# Altium PCB Gesturelink V1.PcbDoc (part 6 of 9)
Units mil, origin at the board's own origin, x right, y up, seen from the top; angles counter-clockwise.
Board outline 1574.8 x 1377.95 mil, 12 copper layers (SIG_1, GND_1, HI_SPEED_SIG_1, HI_SPEED_SIG_2, GND_2, PWR_1, PWR_2, GND_3, SIG_2, SIG_3, GND, SIG_4), stack 76.312 mil thick; 506 components, 440 nets, 2250 pads, 1330 vias.
Unrouted connection lines stored in the file: 20.
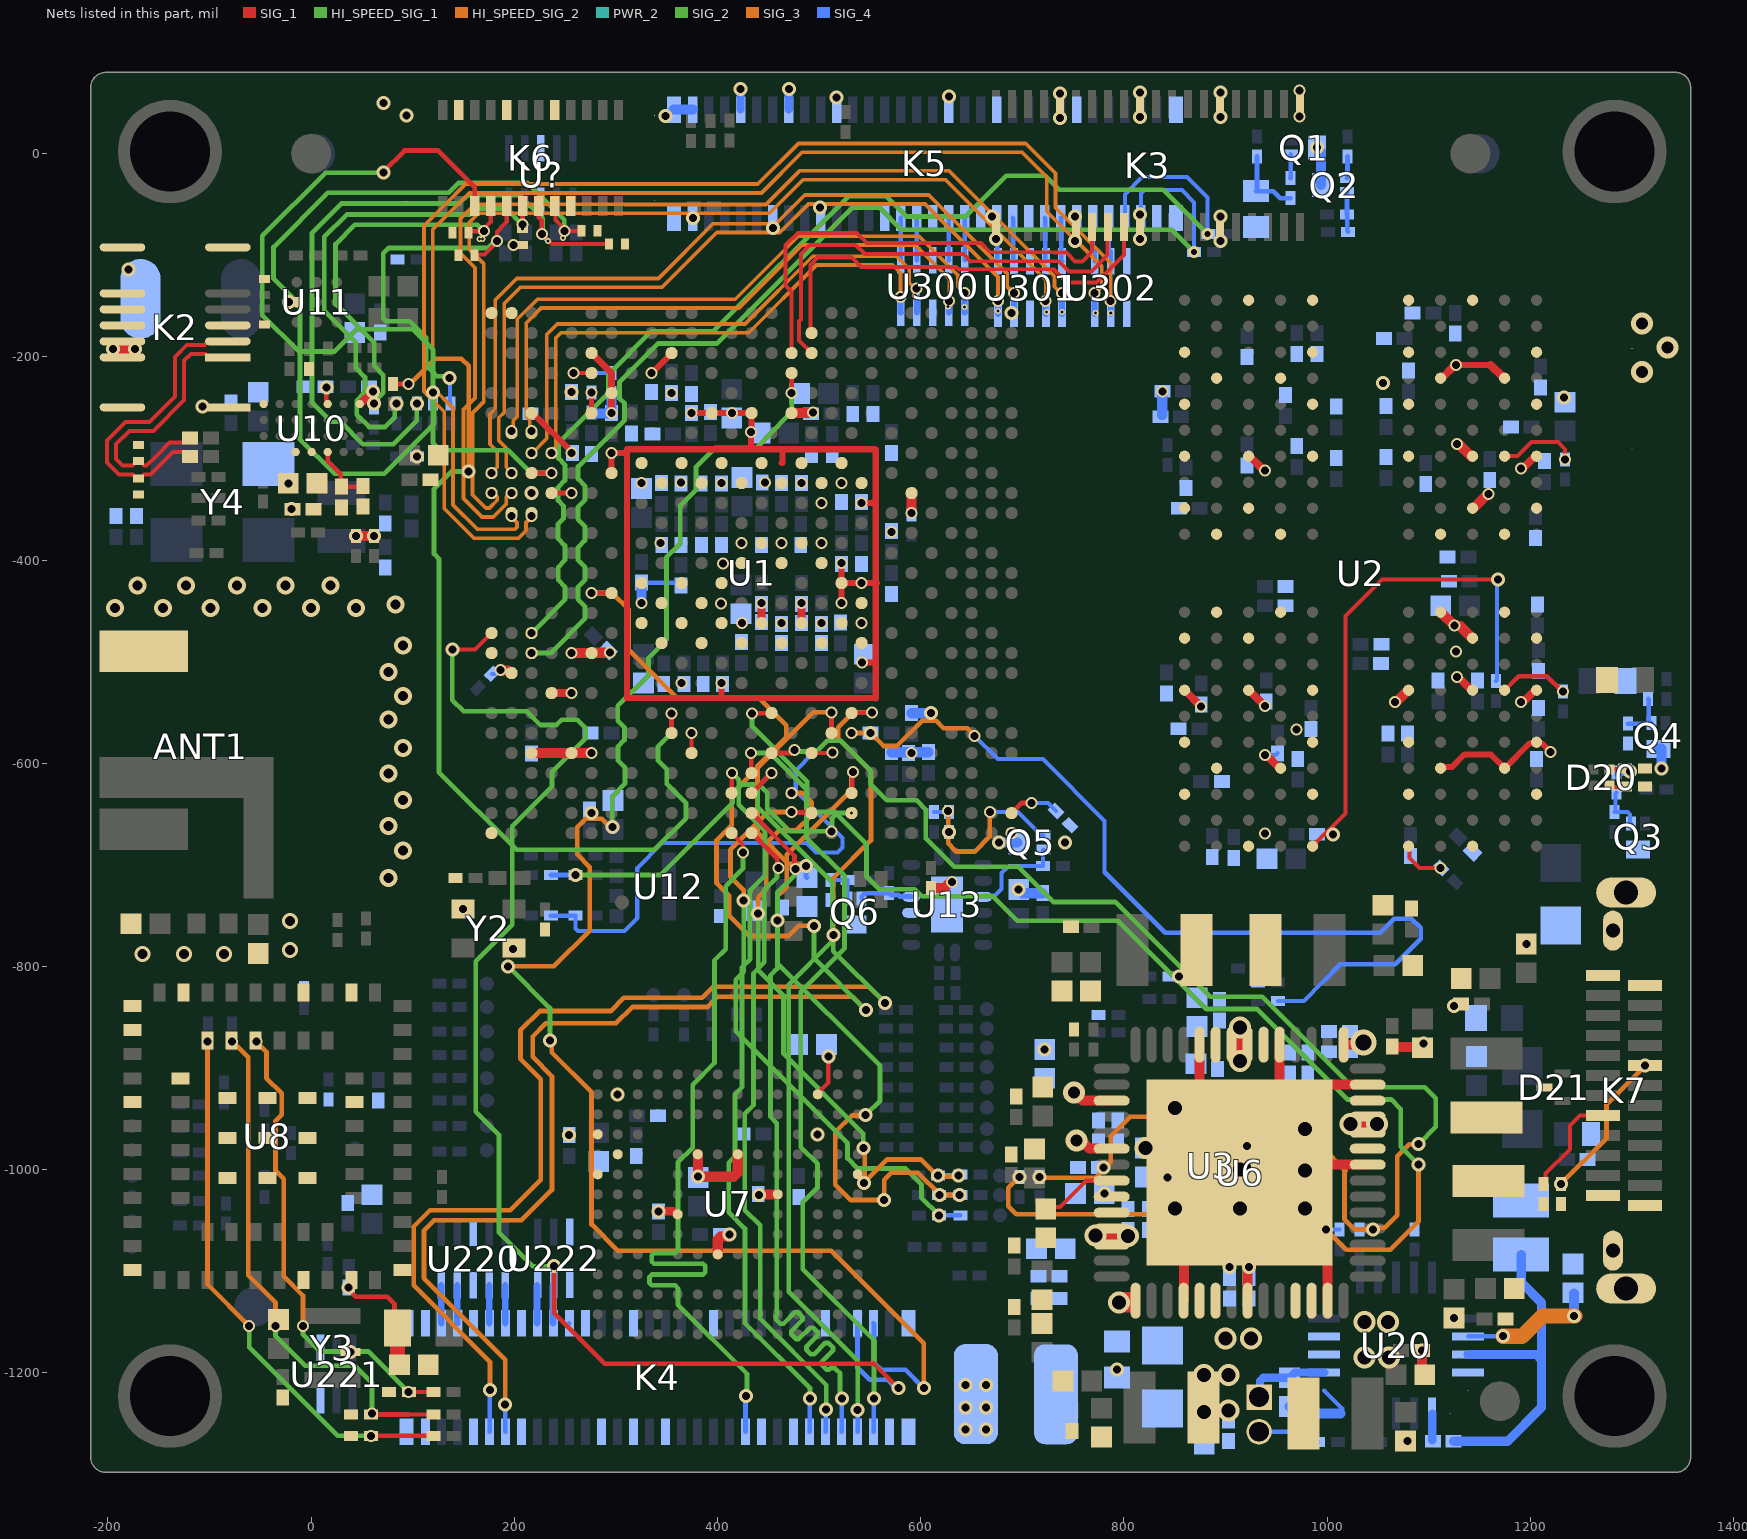
[diagram p16: the nets of this part, all layers, seen from the top]

## Nets (pads, with @x,y where several pads share a name; then routed paths per layer and width w, separated by ;. In a path a pad name is that pad's centre, name@x,y a point inside that pad or via, vN(x,y) a via of type N, cw(c..) or ccw(c..) an arc to the next point about the centre after c; other vN are vias at no path point) (continued)
ETH_RGMII_RXD3: K4.42 U1.AG13 | length 799.2
  SIG_1 w3.6: U1.AG13@413.79,-668.74 425,-679.95 v5(425,-687.99)
  HI_SPEED_SIG_1 w4.63: v5(425,-687.99) 425,-703.99 408,-720.99 408,-782.99 397,-793.99 397,-894.99 375.46,-916.53 375.46,-978.53 361,-992.99 361,-1075.99 361,-1079.33 358.29,-1082.04 337.51,-1082.04 335.38,-1084.17 335.38,-1090.54 337.51,-1092.67 385.71,-1092.67 387.83,-1094.79 387.83,-1101.17 385.71,-1103.3 335.25,-1103.3 333.13,-1105.42 333.13,-1111.8 335.25,-1113.92 358.29,-1113.92 361,-1116.64 361,-1118.95 361,-1132.99 429,-1200.99 429,-1221.99 v2(428,-1222.99)
  SIG_4 w4.58: K4.42@427.46,-1257.99 427.46,-1223.53 v2(428,-1222.99)
ETH_RGMII_TX_CTL: K4.58 U1.AD14 | length 797.2
  SIG_1 w4.58: v1(433,-590) 433.24,-590.24 433.24,-609.45 U1.AD14@433.47,-609.68
  HI_SPEED_SIG_1 w4.63: v1(433,-590) 452.01,-590 487.5,-625.49 487.5,-673.49 525,-710.99 525,-781.99 482,-824.99 482,-977.99 498.41,-994.4 498.41,-1017.99 498,-1017.99 484,-1031.99 484,-1097.99 554,-1167.99 v2(554,-1225.17)
  SIG_4 w4.58: K4.58@553.45,-1257.99 553.72,-1257.72 553.72,-1225.45 v2(554,-1225.17)
ETH_RGMII_TXD0: K4.50 U1.AE13 | length 729.8
  SIG_1 w4.58: U1.AE13@413.79,-629.37 413.99,-629.17 413.99,-609.89 v1(414.19,-609.69)
  HI_SPEED_SIG_1 w4.63: v1(414.19,-609.69) 421,-616.49 421,-640.99 446.78,-666.77 446.78,-710.21 432,-724.99 432,-792.99 424.07,-800.93 424.07,-918.93 417.2,-925.79 417.2,-986.99 411,-993.2 411,-1041.99 427,-1057.99 427,-1150.99 490.94,-1214.93 490.94,-1225.11 v2(491,-1225.17)
  SIG_4 w4.58: K4.50@490.46,-1257.99 490.73,-1257.72 490.73,-1225.44 v2(491,-1225.17)
ETH_RGMII_TXD1: K4.52 U1.AG14 | length 647.5
  SIG_1 w4.58: U1.AG14@433.47,-668.74 458.62,-693.88 458.62,-701.61 v5(460,-702.99)
  HI_SPEED_SIG_1 w4.63: v5(460,-702.99) 458.63,-704.37 458.63,-712.03 446,-724.65 446,-795.99 435.4,-806.59 435.4,-936.59 426.8,-945.2 426.8,-1039.79 442,-1054.99 442,-1146.99 507,-1211.99 v2(507,-1235.95)
  SIG_4 w4.58: K4.52@506.2,-1257.99 506.6,-1257.59 506.6,-1236.35 v2(507,-1235.95)
ETH_RGMII_TXD2: K4.54 U1.AF14 | length 779.1
  SIG_1 w4.58: U1.AF14@433.47,-649.06 475.76,-691.34 475.76,-703.1 v5(476.77,-704.11)
  HI_SPEED_SIG_1 w4.63: v5(476.77,-704.11) 475.4,-705.48 475.4,-710.63 459,-727.03 459,-801.99 452.13,-808.86 452.13,-948.12 458.23,-954.22 458.23,-1114.7 458.23,-1138.22 458.84,-1138.83 458.84,-1142.66 457.41,-1144.09 457.41,-1147.1 461.92,-1151.6 464.92,-1151.6 476.02,-1140.51 479.02,-1140.51 483.53,-1145.02 483.53,-1148.02 472.44,-1159.12 472.44,-1162.13 476.95,-1166.63 479.95,-1166.63 491.05,-1155.54 494.05,-1155.54 498.56,-1160.05 498.56,-1163.05 487.47,-1174.15 487.47,-1177.16 491.98,-1181.66 494.98,-1181.66 506.08,-1170.57 509.08,-1170.57 513.59,-1175.08 513.59,-1178.09 502.5,-1189.18 502.5,-1192.19 507.01,-1196.69 510.01,-1196.69 511.44,-1195.27 515.27,-1195.27 516.91,-1196.9 520.62,-1200.62 520.62,-1223.42 v2(522.38,-1225.17)
  SIG_4 w4.58: K4.54@521.95,-1257.99 522.16,-1257.78 522.16,-1225.38 v2(522.38,-1225.17)
ETH_RGMII_TXD3: K4.56 U1.AE14 | length 758.1
  SIG_1 w4.58: U1.AE14@433.47,-629.37 v1(453.08,-609.76)
  HI_SPEED_SIG_1 w4.63: v1(453.08,-609.76) 439.47,-623.37 439.47,-643.46 513,-716.99 513,-774.99 470,-817.99 470,-1119.99 538,-1187.99 v2(538,-1236.52)
  SIG_4 w4.58: K4.56@537.7,-1257.99 537.85,-1257.84 537.85,-1236.67 v2(538,-1236.52)
EXT_ADC_IRQ: K3.28 U1.C16 | length 455
  SIG_1 w3.6: 651,-87.99 659.35,-87.99 668.54,-97.18 730.81,-97.18 731.01,-97.38
  SIG_1 w4: U1.C16@472.84,-196.3 472.84,-135.83 467,-129.99 467,-89.99 479,-77.99 537,-77.99 547,-87.99 651,-87.99 ; 731.01,-97.38 743.39,-97.38 752.04,-106.03 759,-106.03 768.51,-96.52 K3.28@768.51,-72.31
FDCAN2_RX: K4.57 U1.D16 | length 1604
  SIG_1 w4.58: U1.D16@472.84,-215.98 472.93,-216.07 472.93,-235.59 v9(473.01,-235.68)
  SIG_2 w4.67: v8(194,-799.99) 235,-840.99 v8(235,-872.99) ; v8(296.4,-662.59) 296.4,-632.86 308.92,-620.34 308.92,-604.2 302.1,-597.38 302.1,-583.42 308.42,-577.1 308.42,-564.63 301.76,-557.97 301.76,-543.59 332.15,-513.2 332.15,-496.14 349.76,-478.53 349.76,-397.51 363.35,-383.92 363.35,-346.53 378.89,-330.99 378.89,-308.1 397.21,-289.78 438.32,-289.78 447.74,-280.36 447.74,-279.5 473.01,-254.23 v9(473.01,-235.68)
  SIG_3 w4.63: v8(194,-799.99) 239,-799.99 274.2,-764.79 274.2,-702.2 261.79,-689.78 261.79,-662.86 270.11,-654.54 285.87,-654.54 293.92,-662.59 v8(296.4,-662.59) ; v8(235,-872.99) 236.75,-874.74 236.75,-884.74 276,-923.99 276,-1053.99 302,-1079.99 512,-1079.99 603,-1170.99 v2(603,-1214.99)
  SIG_4 w4.58: K4.57@553.45,-1151.3 554,-1151.85 554,-1189.99 561,-1196.99 585,-1196.99 v2(603,-1214.99)
FDCAN2_TX: K4.55 U1.U1 | length 1368.6
  SIG_1 w4: v25(139,-487.99) 161.46,-487.99 U1.U1@177.57,-471.89
  SIG_1 w4.58: v25(239,-1094.99) 239,-1140.99 289,-1190.99 554,-1190.99 v2(578,-1214.99)
  HI_SPEED_SIG_1 w4.63: v25(139,-487.99) 139,-537.99 150,-548.99 212.19,-548.99 225.58,-562.38 241.44,-562.38 246.73,-557.1 261.78,-557.1 270.34,-565.65 270.34,-575.65 237,-608.99 237,-622.99 198,-661.99 198,-758.99 162,-794.99 162,-942.99 185,-965.99 185,-1061.99 218,-1094.99 v25(239,-1094.99)
  SIG_4 w4.58: K4.55@537.7,-1151.3 537.7,-1194.69 550,-1206.99 567.51,-1206.99 575.51,-1214.99 v2(578,-1214.99)
GND: ANT1.3 C1.1 C2.1 C3.1 C4.1 C15.1 C17.1 C18.1 C19.1 C20.1 C21.1 C22.1 C23.1 C24.1 C25.1 C26.1 C27.1 C28.1 C29.1 C30.1 C31.1 C32.1 C33.1 C34.1 C35.1 C36.1 C37.1 C38.1 C39.1 C40.1 C41.1 C42.1 C43.1 C44.1 C45.1 C46.1 C48.1 C50.1 C51.1 C52.1 C53.1 C54.1 C55.1 C56.1 C57.1 C58.1 C59.1 C60.1 C61.1 C64.1 C65.1 C67.1 C70.2 C72.1 C73.1 C74.1 C75.1 C76.1 C77.1 C78.1 C79.1 C80.1 C81.1 C82.1 C83.1 C85.1 C86.1 C87.1 C88.1 C89.1 C90.1 C91.1 C93.1 C94.1 C95.1 C96.1 C97.1 C98.1 C99.1 C100.1 C101.1 C102.1 C103.1 C104.1 C105.1 C106.1 C107.1 C108.1 C109.1 C110.1 C111.1 C112.1 C113.1 C114.1 C115.1 C116.1 C117.1 C118.1 C119.1 C120.1 C121.1 C122.1 C123.1 C124.1 C125.1 C126.1 C127.1 C128.1 C129.1 C130.1 C131.1 C132.1 C133.1 C134.1 C135.1 C136.1 C138.1 C139.1 C140.1 C141.1 C142.1 C143.1 C144.1 C145.1 C146.1 C147.1 C148.1 C149.1 C150.1 C151.1 C152.1 C153.1 C154.1 C159.1 C160.1 C161.1 C162.1 C163.1 C164.1 C165.1 C166.1 C167.1 C168.1 C169.1 C170.1 C171.1 C172.1 C173.1 C174.1 C175.1 C176.1 C177.1 C178.1 C179.1 C180.1 C181.1 C182.1 C183.1 C184.1 C185.1 C186.1 C187.1 C188.1 C189.1 C190.1 C191.1 C192.1 C193.1 C194.1 C195.1 C196.1 C197.1 C198.1 C199.1 C200.1 C201.1 C202.1 C203.1 C204.1 C205.1 C206.1 C207.1 C208.1 C211.1 C216.1 C217.1 C218.1 C219.1 C220.1 C221.1 C222.1 C223.1 C224.1 C225.1 C226.1 C227.1 C228.1 C229.1 C230.1 C231.1 C232.1 C233.1 C244.1 C245.1 C246.1 C247.1 C248.1 C249.1 C250.1 C251.1 C252.1 C253.1 C254.1 C257.1 C258.1 C263.1 C264.1 C265.1 C266.1 C270.1 C271.1 C272.1 C274.1 C275.1 C276.1 C277.1 C300.1 D2.2 D3.2 D4.2 D5.2 D10.2 D11.2 D12.2 D13.2 D14.2 D15.1 D17.1 D18.1 D21.3 D23.1 D30.1 DNC1.1 DNC3.1 DNC_4.2 DNC_5.2 DNC_6.2 K1.2 K2.1 K2.4 K2.7 K2.8 K2.9 K2.10 K2.11 K2.14 K3.1 K3.11 K3.12 K3.21 K3.22 K3.30 K3.31 K3.40 K4.1 K4.2 K4.7 K4.8 K4.13 K4.14 K4.19 K4.21 K4.24 K4.27 K4.28 K4.32 K4.37 K4.44 K4.48 K4.51 K4.60 K4.S1 K4.S2 K4.S3 K4.S4 K5.1 K5.2 K5.7 K5.12 K5.13 K5.18 K5.19 K5.26 K5.32 K5.33 K5.38 K5.39 K5.44 K5.49 K5.50 K5.60 K5.S1 K5.S2 K5.S3 K5.S4 K6.4 K6.10 K6.16 K6.25 K7.A1 K7.A12 K7.B1 K7.B12 K7.S1 K7.S2 K7.S3 K7.S4 NTC1.2 P2.1 P5.1 Q1.3 Q2.3 Q3.3 Q4.3 Q5.3 Q6.3 R4.2 R5.2 R7.2 R22.2 R38.2 R39.2 R40.2 R90.2 R91.2 R106.1 R139.2 R140.2 R147.2 R150.2 R153.2 R154.2 R155.2 R157.2 R159.2 R161.2 R166.2 R173.2 U1.A1 U1.A2 U1.A27 U1.AAA1 U1.AAA3 U1.AAA5 U1.AAA7 U1.AAA9 U1.AAA11 U1.AAB2 U1.AAB4 U1.AAB6 U1.AAB8 U1.AAB10 U1.AAB12 U1.AAE7 U1.AAE9 U1.AAF6 U1.AAF8 U1.AAF10 U1.AAG1 U1.AAG3 U1.AAG5 U1.AAG11 U1.AAH2 U1.AAH4 U1.AAH12 U1.AAJ1 U1.AAJ3 U1.AAJ5 U1.AAJ7 U1.AAJ9 U1.AAJ11 U1.AAK2 U1.AAK4 U1.AAK6 U1.AAK8 U1.AAK10 U1.AAK12 U1.AC3 U1.AC5 U1.AC11 U1.AF6 U1.AG1 U1.AG27 U1.C6 U1.C10 U1.E7 U1.F3 U1.F12 U1.F14 U1.F16 U1.J7 U1.K3 U1.V6 U1.Y4 U2.A3 U2.A10 U2.AB3 U2.AB5 U2.AB8 U2.AB10 U2.C1 U2.C5 U2.C8 U2.C12 U2.D2 U2.D4 U2.D9 U2.D11 U2.E1 U2.E5 U2.E8 U2.E12 U2.G1 U2.G3 U2.G5 U2.G8 U2.G10 U2.G12 U2.J1 U2.J3 U2.J10 U2.J12 U2.K2 U2.K4 U2.K9 U2.K11 U2.N2 U2.N4 U2.N9 U2.N11 U2.P1 U2.P3 U2.P10 U2.P12 U2.T1 U2.T3 U2.T5 U2.T8 U2.T10 U2.T12 U2.V1 U2.V5 U2.V8 U2.V12 U2.W2 U2.W4 U2.W9 U2.W11 U2.Y1 U2.Y5 U2.Y8 U2.Y12 U3.B2 U3.C1 U6.9 U6.10 U6.18 U6.22 U6.27 U6.36 U6.41 U6.47 U6.52 U6.57 U7.A6 U7.C4 U7.E7 U7.G5 U7.H10 U7.J5 U7.K8 U7.N2 U7.N5 U7.P4 U7.P6 U8.1 U8.14 U8.16 U8.21 U8.23 U8.24 U8.27 U8.34 U8.41 U8.49 U8.57 U8.69 U8.70 U8.71 U8.72 U8.73 U8.74 U8.75 U8.76 U8.77 U10.A4 U10.D1 U10.D7 U11.B3 U12.4 U13.11 U13.17 U20.5 U20.6 U20.7 U20.15 U220.3 U220.8 U221.3 U221.4 U222.3 U222.4 U300.3 U300.8 U301.3 U301.8 U302.3 U302.4 U?.3 U?.8 Y2.2 Y2.4 Y3.2 Y4.2 | length 3708.2
  SIG_1 w4: U8.21@-125.62,-825.75 U8.21@-125.31,-825.44 ; v39@-125.31,-788.3 v39(-125,-787.99) ; v15(-22,-145.99) -21.91,-146.09 -14.2,-146.09 U11.B3@-14.1,-146.18 ; U10.D1@47.74,-246.5 U10.D1@48.12,-246.5 ; v15@60.62,-233.99 v15(61,-233.99) ; U1.AAA1@325.2,-304.57 325.2,-304.99 U1.AAA1@326,-304.99 ; U1.AC11@374.42,-590 v1(374.42,-570.32) ; v2(440.7,-1024.99) v2@441.05,-1024.65 ; U7.E7@458.92,-1024.65 U7.E7@459.26,-1024.31 ; U1.F16@472.84,-255.35 U1.F16@472.92,-255.28 ; U1.AG27@689.38,-668.74 v44(689.5,-668.87) ; v1(1067,-539.99) v1@1067.7,-539.99 ; U2.G5@1079.54,-528.15 U2.G5@1080.24,-528.15 ; C194.1@1093.24,-1199.06 C194.1@1096.17,-1201.99 ; U2.W4@1111.74,-221.06 U2.W4@1112.83,-221.06 ; v1@1125.91,-207.99 v1(1127,-207.99) ; v1(1128,-514.99) v1@1129.04,-514.99 ; v1(1128,-285.92) v1@1129.66,-285.92 ; U2.T3@1141.58,-297.83 U2.T3@1143.24,-297.83 ; U2.G3@1142.2,-528.15 U2.G3@1143.24,-528.15 ; U2.P3@1143.24,-349.02 U2.P3@1144.11,-349.02 ; v1@1158.13,-334.99 v1(1159,-334.99) ; U2.W2@1173.4,-221.06 U2.W2@1173.4,-220.55 ; v1(1191,-309.99) v1@1192.54,-309.99 ; U2.T1@1204.69,-297.83 U2.T1@1206.23,-297.83
  SIG_1 w4.2: U6.18@858.76,-1128.99 U6.18@859,-1128.76 ; U6.57@859,-1044.62 861.24,-1042.38 cw(c913.88,-1057.89) 868.77,-1026.63 cw(c913.88,-1057.89) U6.57@913.88,-1003.01 ; U6.57@874.51,-963.64 U6.57@913.88,-1003.01 ; U6.57@921.76,-1010.88 ccw(c913.88,-1010.88) U6.57@913.88,-1003.01 ; U6.57@1000.5,-1089.62 ccw(c913.88,-1089.62) U6.57@913.88,-1003.01 ; U6.57@1000.5,-916.39 ccw(c1000.5,-1003.01) 953.25,-930.41 953.25,-963.64 921.76,-995.13 U6.57@913.88,-1003.01
  SIG_1 w5: U1.F3@216.94,-255.35 U1.F3@218.09,-255.35 ; v1(256.31,-294.72) v1@256.31,-293.57
  SIG_1 w6: U1.F3@218.09,-255.35 v1@256.31,-293.57 ; U1.J7@295.68,-314.41 v1(295.68,-294.72) 311,-294.72 ; v1(335.05,-215.98) U1.C10@354.73,-196.3 ; v1(374.42,-255.35) U1.F14@433.47,-255.35 ; v1(403.95,-521.1) 404,-521.1 404,-535.99 ; v1(433,-274.25) 433,-290.99 ; v1@433.24,-274.25 U1.F14@433.24,-255.59 ; 463,-304.57 464,-304.57 464,-290.99 ; v1(522.05,-442.36) U1.AAG11@522.06,-422.68 ; v1(522.05,-402.99) U1.AAG11@522.06,-422.68 ; v1(541.74,-343.94) 555.75,-343.94 ; v1(542,-500.99) 555.75,-500.99 ; 555,-290.99 464,-290.99 ; 555.41,-535.99 404,-535.99 ; 555.75,-536.15 555.75,-500.99 ; 555.75,-291.15 555.75,-343.94 ; 557,-422.49 556.82,-422.68 555.75,-422.68 ; U2.D4@1111.74,-604.92 1113.08,-603.58 1122.98,-603.58 1135.13,-591.43 1161.24,-591.43 U2.D2@1174.73,-604.92 1199.17,-580.48 1205.08,-580.48 U2.E1@1206.23,-579.33 1207.38,-580.48 1211.49,-580.48 v1(1220,-588.99) ; v1(1127,-207.99) 1160.84,-207.99 ; 311,-294.72 311,-535.99 404,-535.99 ; 311,-294.72 311,-290.99 433,-290.99 ; 433,-290.99 464,-290.99 ; U1.AAG11@522.06,-422.68 v1(541.74,-422.68) 555.75,-422.68 ; 555.75,-500.99 555.75,-422.68 ; 555.75,-422.68 555.75,-343.94
  SIG_1 w7: U1.C6@275.99,-196.3 295.68,-215.98 U1.E7@295.68,-235.67 v1(295.68,-255.35)
  SIG_1 w8: U10.D1@48.12,-246.5 v15@60.62,-233.99 ; U1.Y4@236.62,-530.94 v1(256.31,-530.95) ; v2(342,-1040.99) 356.25,-1040.99 359.25,-1043.99 U7.K8@360.83,-1043.99 ; U1.AAJ7@443.31,-462.05 v1(443.32,-442.36) ; U1.AAJ9@482.68,-462.05 v1(482.68,-442.36) ; U2.G12@859.77,-528.15 859.89,-528.15 875.88,-544.14 v1(876,-544.14) ; U2.G10@922.76,-528.15 923.09,-528.15 938.67,-543.73 v1(939,-543.73) ; U2.T10@922.76,-297.83 923.8,-297.83 937.96,-311.99 v1(939,-311.99) ; v1(938.98,-591.99) 940.16,-591.99 953.09,-604.92 U2.D9@954.26,-604.92 ; U2.W4@1112.83,-221.06 v1@1125.91,-207.99 ; v1@1129.04,-514.99 U2.G3@1142.2,-528.15 ; 1160.84,-207.99 U2.W2@1173.4,-220.55 ; v1(1191,-539.99) 1192.69,-539.99 1204.54,-528.15 U2.G1@1206.23,-528.15 ; v1@1192.54,-309.99 U2.T1@1204.69,-297.83
  SIG_1 w10: U1.AC3@216.94,-590 U1.AC5@256.31,-590 v1(275.99,-590) ; v1(293.93,-490.92) 293.6,-491.25 276.32,-491.25 U1.V6@275.99,-491.57 275.92,-491.5 v1@256.53,-491.5 ; U7.J5@380.52,-984.94 380.76,-985.18 380.76,-1006.75 v2(381,-1006.99) 415.66,-1006.99 419.89,-1002.76 U7.G5@419.89,-984.94 ; U7.H10@400.2,-1083.36 400.2,-1068.79 403.13,-1065.86 410.13,-1065.86 v2(412,-1063.99) ; v2@441.05,-1024.65 U7.E7@458.92,-1024.65 ; U1.F16@472.84,-255.35 v1@492.53,-255.35 ; R157.2@610,-722.83 623.04,-722.83 628.89,-716.99 v1(631,-716.99) ; U6.18@859,-1128.76 U6.57@859,-1044.62 ; U6.57@874.51,-963.64 U6.52@874.51,-877.02 ; U6.22@921.76,-1128.99 U6.57@921.76,-1010.88 ; U6.57@921.76,-995.13 U6.36@1039.87,-995.13 ; U6.57@953.25,-930.41 U6.47@953.25,-877.02 ; U6.27@1000.5,-1128.99 U6.57@1000.5,-1089.62 ; U6.57@1000.5,-916.39 U6.41@1039.87,-916.39 ; C206.1@1064,-878.99 1064.5,-879.49 1092.5,-879.49 C205.1@1093,-878.99 ; v1@1067.7,-539.99 U2.G5@1079.54,-528.15 ; C194.1@1093.24,-1199.06 v15(1093.24,-1177.99) ; C205.1@1094,-879.99 C205.1@1094,-877.38 ; U2.K4@1111.74,-451.38 1111.99,-451.38 1125.31,-464.7 v1(1125.56,-464.7) ; v1@1125.31,-464.95 1125.41,-465.05 1131.04,-465.05 1142.96,-476.97 U2.J3@1143.24,-476.97 ; v1@1129.66,-285.92 U2.T3@1141.58,-297.83 ; U2.P3@1144.11,-349.02 v1@1158.13,-334.99 ; v1@256.53,-491.5 v1(256.45,-491.43) v1@256.53,-491.5
  SIG_4 w4: K4.19@253.87,-1150.93 K4.19@254.24,-1151.3 ; C81.1@295.2,-255.83 v1(295.68,-255.35) ; C72.1@325.2,-422.37 C30.1@361.14,-422.37 ; v13(422.52,63.65) v13@422.71,63.47 ; K5.7@422.71,43.54 K5.7@422.9,43.35 ; C43.1@482.68,-443.15 v1(482.68,-442.36) ; v13(696.43,-724.3) C265.1@700.13,-727.99 ; v1(938.98,-591.99) 949.24,-591.99 C105.1@951,-590.23 ; v2(989.8,6.01) Q1.3@994,1.8 ; R166.2@1285,-608.99 R166.2@1286,-607.99
  SIG_4 w5: C96.1@590.95,-550.63 C96.1@591.08,-550.76 ; C122.1@835.76,-258.99 C122.1@837.76,-256.99
  SIG_4 w8: K5.7@422.71,43.54 v13@422.71,63.47 ; K5.13@470.14,43.35 v13(470.14,63.65) ; NTC1.2@933,-1223.99 934,-1222.99 934,-1207.99 937.17,-1204.82 C275.1@963,-1204.82 968.25,-1199.57 U20.15@997.13,-1199.57
  SIG_4 w9: R166.2@1286,-607.99 v13(1298,-607.99)
  SIG_4 w10: R5.2@277,-255.83 C81.1@295.2,-255.83 ; v1(295.68,-255.35) R7.2@295.68,-235.67 ; v1(325.2,-442.36) C72.1@325.2,-422.37 ; K5.S1@356.95,43.35 K5.1@375.65,43.35 ; C70.2@571.27,-589.21 C79.1@607.64,-589.21 ; C96.1@591.08,-550.76 v13(610,-550.76) ; v13(677,-677.99) Q5.3@695.2,-677.99 ; C265.1@700.13,-727.99 C266.1@720,-727.99 ; C122.1@837.76,-256.99 v64(837.76,-233.99) ; Q2.3@994,-30.99 Q1.3@994,1.8 ; Q4.3@1326,-585.79 1329,-585.79 v13(1329,-604.99)
  other v1: 938.98,-668.99 590.95,-590 970,-566.99 364.57,-521.1 1127,-489.99 424,-462.05 463,-462.05 502.37,-462.05 541.74,-462.05 403.39,-442.91 405.57,-403.4 343.89,-383.31 423.63,-383.31 463,-383.31 502.37,-383.31 571.27,-372.68 502.37,-343.94 325.2,-324.25 364.15,-323.83 403.95,-324.25 446.81,-323.59 482.68,-324.25 522.05,-324.25 414.26,-255.35 494,-254.99 354.73,-235.67
  other v2: 644,-1255.99 664,-1255.99 644,-1233.99 664,-1233.99 644,-1211.99 664,-1211.99 254,-965.99 498.63,-965.25 1095,-875.99 1125,-838.99 1233,-239.99 1055,-225.99 -180,-113.99 94.08,37.5 349,37.01 71,50.01
  other v13: 793,-1196.99 37,-1116.23 904,-1095.99 923,-1095.99 780.67,-1023.49 843,-1007.99 780,-997.99 722,-881.82 854,-809.99 742,-677.99 1006,-669.99 628,-667.83 550.8,-570.32 104,-297.99 256.31,-234.88 454.39,-72.99 375.65,-63.34 501,-52.99 517,55.23 628,56.01
  other v15: 1079,-1267.17 38.72,-1179.43 1125,-1146.17 301.78,-925.88 275.99,-649.06 216.94,-334.09 -107,-248.99 689.38,-156.93 752,-85.99 895,-85.99 674,-83.99 816,-83.99 670.33,-61.74 752,-61.99 895,-61.99 816,-59.99 737,35.01 816,36.01 895,36.01 737,59.01 816,60.01 895,60.01
  other v16: 76.01,-712.99 90.35,-685.99 76.01,-661.99 90.2,-636.1 76.01,-609.99 90.2,-584.99 76.01,-556.99 90.2,-533.99 76.01,-509.99 90.2,-483.99 -193,-447.01 -146,-447.01 -99,-447.01 -48,-447.01 0,-447.01 44,-447.01 83,-443.99 -171,-424.99 -123,-424.99 -73,-424.99 -25,-424.99 19,-424.99
  other v17: 198.5,-782.88 149.3,-743.49
  other v21: 1196,-777.99
  other v28: 978,-1000.99
  other v30: 1310,-214.99 1335,-190.99 1310,-166.99
  other v38: 850.03,-1038.09 914,-1038.09 978,-1038.09 914,-999.99 978.18,-959.91 850.03,-939.23
  other v39: -166,-787.99 -86,-787.99 -21,-783.99 -21,-755.18
  other v44: 199,-89.99 973,36.61 973,62.01
GPIO_EXTENDER_IRQ: K3.24 U1.B17 | length 428.4
  SIG_1 w3.6: 637.5,-113.99 731,-113.99
  SIG_1 w4: 491.51,-161.24 491.51,-119.43 ; 491.54,-161.27 491.54,-175.62 U1.B17@492.53,-176.61 ; 491.54,-119.41 491.54,-109.46 499,-101.99 532,-101.99 541.42,-111.41 634.92,-111.41 637.5,-113.99 ; 731,-113.99 744,-126.99 773,-126.99 800.01,-99.98 K3.24@800.01,-72.31
GPIO_EXTENDER_RESET: K3.26 U1.C17 | length 454
  SIG_1 w3.6: 649,-105.99 736,-105.99
  SIG_1 w4: U1.C17@492.53,-196.3 480.34,-184.11 480.34,-164.91 482.18,-163.07 482.18,-98.82 491,-89.99 536,-89.99 545,-98.99 642,-98.99 649,-105.99 ; 736,-105.99 746,-115.99 768,-115.99 784,-99.99 784,-72.57 K3.26@784.26,-72.31
I2C2_SCL: R14.2 R18.1 U1.AA15 U3.A2 | length 1527.5
  SIG_1 w4.58: v1(434,-550.99) 434.18,-550.81 452.98,-550.81 U1.AA15@453.16,-550.63
  SIG_2 w4.67: v1(434,-550.99) 434,-563.83 488.04,-617.87 488.04,-642.03 494,-647.99 515,-647.99 546.5,-679.49 546.5,-711.49 559,-723.99 594,-723.99 601,-730.99 671,-730.99 695,-754.99 794,-754.99 881,-841.99 931,-841.99 1020,-930.99 1063,-930.99 1072.4,-940.39 1072.4,-977.39 v8(1090,-994.99)
  SIG_3 w4.63: v12(697,-1007.31) 696.69,-1007.31 686,-1017.99 686,-1035.99 694,-1043.99 846.71,-1043.99 893.71,-996.99 v12(921,-996.99) 931.5,-996.99 946,-1011.49 946,-1036.99 968,-1058.99 v12(999,-1058.99) 1019,-1078.99 1062,-1078.99 1090,-1050.99 v8(1090,-994.99)
  SIG_4 w4: U3.A2@905,-995.99 905.5,-996.49 920.5,-996.49 v12(921,-996.99) ; v12(999,-1058.99) 1011.84,-1058.99 R18.1@1012,-1059.15
I2C2_SDA: R13.2 R17.1 U1.AC15 U3.A3 | length 1470.1
  SIG_1 w4.58: U1.AC15@453.16,-590 472.55,-590 475.35,-587.19 v1(475.81,-587.19)
  SIG_2 w4.67: v1(475.81,-587.19) 477.17,-588.56 497.2,-588.56 507.79,-577.97 521.49,-577.97 550.79,-607.27 550.79,-620.78 566.58,-636.57 595.84,-636.57 605,-645.73 605,-673.99 633,-701.99 696,-701.99 730.5,-736.49 791.5,-736.49 885,-829.99 936,-829.99 1025,-918.99 1096,-918.99 1107,-929.99 1107,-957.99 v8(1090,-974.99)
  SIG_3 w4.63: v12@716,-1007.99 772,-1007.99 787,-992.99 787,-966.99 806,-947.99 842,-947.99 871,-976.99 v12(921,-976.99) 994,-976.99 1018,-1000.99 1017,-1001.99 1017,-1048.99 1027,-1058.99 v12(1045,-1058.99) 1046.75,-1057.24 1056.75,-1057.24 1069,-1044.99 1069,-986.85 1080.86,-974.99 v8(1090,-974.99)
  SIG_4 w4: U3.A3@905,-976.31 905.34,-976.65 920.66,-976.65 v12(921,-976.99) ; R17.1@1032,-1059.15 1032.16,-1058.99 v12(1045,-1058.99)
  other v12: 716.75,-1007.4
I2C5_SCL: R142.2 R145.2 U1.AF19 | length 381
  HI_SPEED_SIG_1 w4.63: v70(512,-666.99) 512.67,-666.33 512.67,-654.14 517.76,-649.06 v4(531.9,-649.06)